# Altium PCB 1166V31.PcbDoc (part 4 of 7) (continued)
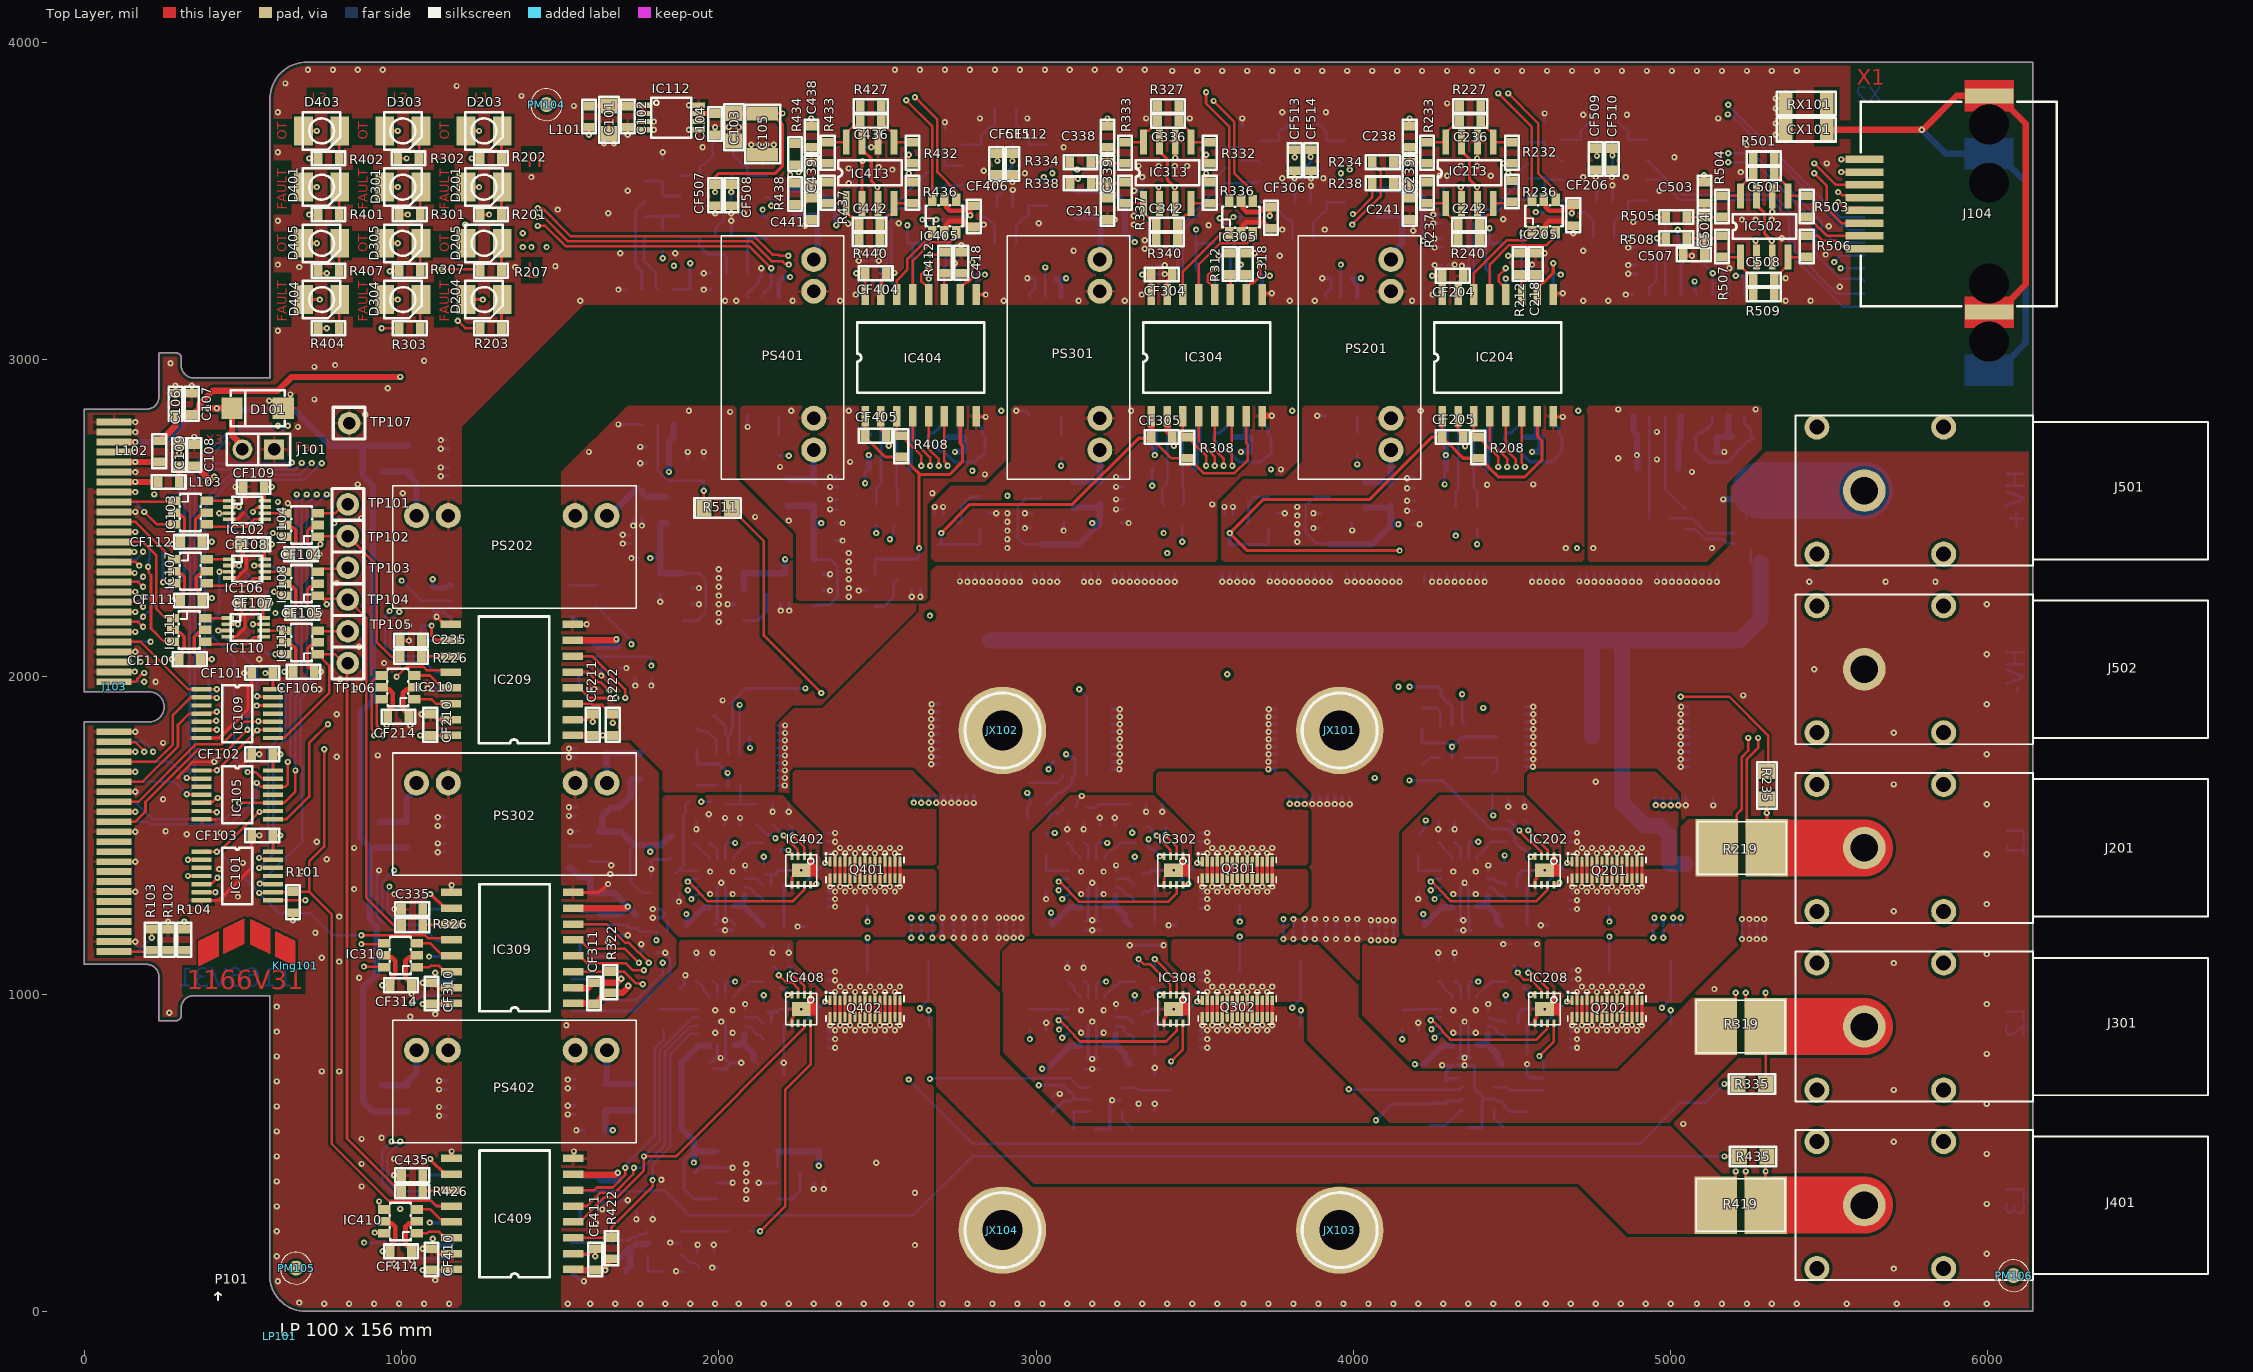
[diagram p0: Top Layer view]
## Nets (pads, with @x,y where several pads share a name; then routed paths per layer and width w, separated by ;. In a path a pad name is that pad's centre, name@x,y a point inside that pad or via, vN(x,y) a via of type N, cw(c..) or ccw(c..) an arc to the next point about the centre after c; other vN are vias at no path point) (continued)
  other v1: 3141.73,1314.96 3212.6,1314.96 3570.87,1322.83 3602.36,1322.83 3633.86,1322.83 3665.35,1322.83 3696.85,1322.83 3728.35,1322.83 3177.17,1350.39 3141.73,1385.83 3212.6,1385.83 2909.45,2405.51 2909.45,2433.07 2909.45,2460.63 2909.45,2488.19 2909.45,2515.75 3555.12,2543.31 3771.65,2653.54 3299.21,2838.58
M5: C428.2 C429.2 C431.2 C432.1 C433.2 C434.1 C440.1 C444.1 CF407.2 CF408.2 CF409.2 CF411.1 CF417.2 CF418.2 CF422.2 D406.1 IC407.3 IC407.6 IC407.7 IC408.0 IC408.1 IC408.5 IC409.2 IC409.8 IC411.0 IC411.9 IC411.14 IC411.15 IC412.3 IC412.4 IC416.3 IC417.2 PS402.6 Q402.2 Q402.5 Q402.6 Q402.9 Q402.10 Q402.13 Q402.14 Q402.17 Q402.18 Q402.21 Q402.22 Q402.25 Q402.26 Q402.29 Q402.30 R420.2 R421.2 R423.1 R428.2 R429.2 R430.2 R431.2 R439.2 R449.1 R452.1 R454.1 | length 3522.6
  Top Layer w10: IC409.2@1543.31,179.92 1590.79,179.92 1597.52,186.65 1597.52,188.07 1606.3,196.85 CF411.1@1610.24,196.85 v1(1610.24,173.23) ; IC409.8@1543.31,479.92 v1(1543.31,503.94) ; IC408.5@2230.32,907.48 2230.39,907.56 2230.39,923.31 2235.32,928.23 2235.32,936.1 2251.97,952.76 v1(2259.84,952.76) 2267.72,952.76 2284.37,969.41 2284.37,977.28 2289.29,982.2 2289.29,997.95 IC408.1@2289.37,998.03 ; v1(2350.39,901.57) Q402.2@2350.39,927.95 ; v1(2381.89,901.57) Q402.6@2381.89,927.95 Q402.5@2381.89,980.31 ; v1(2413.39,901.57) Q402.10@2413.39,927.95 Q402.9@2413.39,980.31 ; v1(2444.88,901.57) Q402.14@2444.88,927.95 Q402.13@2444.88,980.31 ; v1(2476.38,901.57) Q402.18@2476.38,927.95 Q402.17@2476.38,980.31 ; v1(2507.87,901.57) Q402.22@2507.87,927.95 Q402.21@2507.87,980.31 ; v1(2539.37,901.57) Q402.26@2539.37,927.95 Q402.25@2539.37,980.31 ; v1(2570.87,901.57) Q402.30@2570.87,927.95 Q402.29@2570.87,980.31
  Layer 3 w8: v1(2141.73,996.06) 2344.93,792.87 2544.83,792.87 2661.42,909.45 v1(2661.42,948.82)
  Layer 3 w10: v1(2204.72,783.34) 2275.91,783.34 2283.46,775.79 2559.25,775.79 2598.43,814.96
  Bottom Layer w8: R428.2@2141.73,972.44 v1(2141.73,996.06) ; R431.2@2661.42,901.57 v1(2661.42,948.82)
  Bottom Layer w10: v1(1523.62,620.47) CF407.2@1547.24,620.47 ; v1(1523.62,647.75) 1546.96,647.75 CF407.2@1547.24,648.03 ; v1(1523.62,703.15) CF409.2@1547.24,703.15 ; v1(1523.62,730.42) 1546.96,730.42 CF409.2@1547.24,730.71 ; IC416.3@1535.43,115.35 1545.28,115.35 1564.29,96.34 1572.95,96.34 v1(1574.8,94.49) ; v1(1551.18,570.87) C428.2@1574.8,570.87 ; IC412.4@1562.99,279.13 IC412.3@1562.99,329.13 ; IC412.4@1594.49,279.53 1595.57,278.44 1611.93,278.44 v1(1612.62,277.75) ; v1(1632.41,320.95) 1632.41,345.01 CF417.2@1633.86,346.46 ; CF418.2@1688.98,346.46 CF418.2@1689.12,346.31 ; CF418.2@1689.12,350.25 v1@1712.46,350.25 ; v1@1712.46,346.31 v1@1712.6,346.17 ; v1(1740.16,290.49) C440.1@1740.16,314.96 ; v1(1791.34,290.49) R439.2@1791.34,314.96 ; v1(1846.46,216.54) 1847.39,215.6 1876.66,215.6 IC417.2@1877.59,214.67 ; v1(1865.29,125.98) R454.1@1889.76,125.98 ; C434.1@1877.95,1019.68 1881.89,1019.68 1890.67,1028.46 1890.67,1052.51 1894.57,1056.42 v1(1894.57,1059.04) ; C429.2@1921.26,437.01 1925.2,437.01 1933.98,445.79 1933.98,448.08 1939.83,453.94 IC407.7@1992.13,453.94 1992.72,453.35 2042.72,453.35 v1(2043.31,452.76) ; R429.2@1929.13,1106.3 v1(1929.13,1129.92) ; C444.1@1933.07,185.04 v1(1933.07,209.51) ; C432.1@1968.5,779.53 C432.1@1979.09,790.12 ; v1(1979.46,137.8) R452.1@2003.94,137.8 ; R430.2@1980.32,1106.3 v1(1980.32,1129.92) ; C432.1@1981.45,764.91 2020.82,764.91 C433.2@2035.43,779.53 ; R449.1@1984.25,185.04 v1(1984.25,209.51) ; C432.1@1984.25,795.28 1995.08,795.28 ; IC407.6@1992.13,403.94 2041.73,403.94 v1(2043.31,405.51) ; IC411.15@1995.08,838.58 1995.08,795.28 ; 2003.94,763.78 C433.2@2027.56,763.78 ; v1@2005.3,795.28 2019.69,795.28 C433.2@2035.43,779.53 ; v1(2005.3,798.61) 2003.45,796.76 1996.56,796.76 1995.08,795.28 ; C433.2@2020.67,797 IC411.14@2020.67,838.58 IC411.0@2020.67,900.59 ; v1(2070.87,783.46) 2039.37,783.46 C433.2@2035.43,779.53 ; IC411.9@2082.68,951.77 v1(2082.68,968.5) ; v1(2125.98,405.51) 2127.56,403.94 IC407.3@2185.04,403.94 ; 2153.54,940.94 2162.95,940.94 2165.98,943.98 ; 2165.98,914.29 2165.98,943.98 ; v1(2169.29,1129.92) R420.2@2169.29,1153.54 ; R423.1@2204.72,744.09 R423.1@2204.72,748.03 v1(2204.72,783.34) ; v1(2220.47,1129.92) R421.2@2220.47,1153.54 ; v1(2259.84,952.76) C431.2@2192.91,952.76 2184.13,943.98 2165.98,943.98 ; v1(2299.21,385.17) CF408.2@2299.21,405.51 ; v1(2330.71,385.17) CF408.2@2330.71,405.51 ; D406.1@2342.52,830.71 v1(2366.14,830.71) ; D406.1@2342.52,858.27 v1(2366.14,858.27) ; D406.1@2342.52,885.83 v1(2366.14,885.83) ; D406.1@2350.39,877.95 v1(2350.39,901.57)
  other v1: 1523.62,23.62 1594.49,23.62 1673.23,23.62 1751.97,23.62 1830.71,23.62 1909.45,23.62 1988.19,23.62 2062.99,23.62 2141.73,23.62 2220.47,23.62 2299.21,23.62 2377.95,23.62 2456.69,23.62 2527.56,23.62 2606.3,23.62 2618.11,208.66 1712.6,350.11 2086.61,354.33 2618.11,374.02 2086.61,381.89 2086.61,409.45 1818.88,414.59 2086.61,437.01 2086.61,464.57 2496.06,468.5 1988.46,877.95 2043.31,877.95 2397.64,885.83 2429.13,885.83 2460.63,885.83 2492.13,885.83 2523.62,885.83 2555.12,885.83 1519.69,901.57 2007.87,913.39 1988.66,948.57 2043.31,948.82
M6: C408.2 C409.2 C411.2 C415.1 C416.2 C417.1 C443.1 CF401.2 CF402.2 CF403.2 CF405.1 CF420.2 D402.1 IC401.3 IC401.6 IC401.7 IC402.0 IC402.1 IC402.5 IC404.2 IC404.8 IC406.0 IC406.9 IC406.14 IC406.15 IC414.3 IC415.2 PS401.6 Q401.2 Q401.5 Q401.6 Q401.9 Q401.10 Q401.13 Q401.14 Q401.17 Q401.18 Q401.21 Q401.22 Q401.25 Q401.26 Q401.29 Q401.30 R405.2 R406.2 R409.1 R413.2 R414.2 R415.2 R416.2 R443.1 R446.1 R448.1 | length 2652.3
  Top Layer w8: IC402.5@2230.32,1344.49 2230.5,1344.68 2230.5,1368.3 2251.97,1389.76 v1(2259.84,1389.76) 2267.72,1389.76 2289.18,1411.23 2289.18,1434.85 IC402.1@2289.37,1435.04
  Top Layer w10: v1(2350.39,1338.58) Q401.2@2350.39,1364.96 ; v1(2381.89,1338.58) Q401.6@2381.89,1364.96 Q401.5@2381.89,1417.32 ; v1(2413.39,1338.58) Q401.10@2413.39,1364.96 Q401.9@2413.39,1417.32 ; v1(2444.88,1338.58) Q401.14@2444.88,1364.96 Q401.13@2444.88,1417.32 ; v1(2476.38,1338.58) Q401.18@2476.38,1364.96 Q401.17@2476.38,1417.32 ; v1(2507.87,1338.58) Q401.22@2507.87,1364.96 Q401.21@2507.87,1417.32 ; IC404.2@2511.02,2820.87 2511.02,2778.42 2516.88,2772.56 2518.78,2772.56 2527.56,2763.78 CF405.1@2527.56,2759.84 2533.58,2753.82 2533.58,2730.2 v1(2535.43,2728.35) ; v1(2539.37,1338.58) Q401.26@2539.37,1364.96 Q401.25@2539.37,1417.32 ; v1(2570.87,1338.58) Q401.30@2570.87,1364.96 Q401.29@2570.87,1417.32 ; IC404.8@2811.02,2820.87 2812.99,2818.9 v1(2840.68,2818.9)
  Layer 3 w8: v1(2141.73,1433.07) 2141.73,1408.45 2321.84,1228.35 v1(2468.5,1228.35)
  Bottom Layer w8: IC406.9@2082.68,1388.78 v1(2082.68,1405.51) ; R413.2@2141.73,1409.45 v1(2141.73,1433.07) ; v1(2468.5,1228.35) R416.2@2468.5,1275.59
  Bottom Layer w10: v1(1874.02,1291.34) C417.1@1874.02,1314.96 ; v1(1929.13,1519.68) R414.2@1929.13,1543.31 ; R448.1@1931,1771.65 R446.1@1931,1724.41 2000,1724.41 v1(2027.56,1696.85) 2028.49,1695.92 2028.49,1658.42 IC415.2@2029.43,1657.48 ; R415.2@1968.5,1543.31 v1(1968.5,1566.93) ; C415.1@1984.25,1216.54 C415.1@2000,1232.28 ; C415.1@1995.08,1232.28 IC406.15@1995.08,1275.59 IC406.0@1995.08,1337.6 ; C415.1@1996.06,1200.79 v1(2019.69,1200.79) C416.2@2043.31,1200.79 ; C415.1@2002.87,1235.16 C415.1@2000,1232.28 ; C443.1@2019.69,1531.5 v1(2019.69,1555.12) ; v1@2020.67,1234.01 IC406.14@2020.67,1275.59 IC406.0@2020.67,1337.6 ; C416.2@2039.37,1232.28 C416.2@2036.42,1232.28 ; C416.2@2051.18,1216.54 2036.42,1231.3 C416.2@2036.42,1232.28 ; R443.1@2066.93,1531.5 v1(2066.93,1555.12) ; IC414.3@2088.98,2822.83 2090.55,2821.26 v1(2090.55,2787.4) ; CF420.2@2096.36,1811.02 2097.31,1810.07 2097.31,1776.55 v1(2098.27,1775.59) ; 2149.61,1377.95 2150.51,1377.05 2180.2,1377.05 2180.2,1380.98 2188.98,1389.76 C411.2@2192.91,1389.76 v1(2259.84,1389.76) ; 2165.35,1347.36 2165.35,1377.05 ; v1(2169.29,1574.8) R405.2@2169.29,1598.42 ; v1(2220.47,1574.8) R406.2@2220.47,1598.42 ; v1(2248.03,1212.6) R409.1@2271.65,1212.6 ; IC401.6@2326.77,2271.65 v1(2350.39,2271.65) ; IC401.7@2326.77,2322.83 v1(2350.39,2322.83) ; D402.1@2342.52,1275.59 v1(2366.14,1275.59) ; D402.1@2342.52,1299.21 v1(2366.14,1299.21) ; D402.1@2342.52,1322.83 v1(2366.14,1322.83) ; D402.1@2350.39,1314.96 v1(2350.39,1338.58) ; v1(2350.39,2527.56) CF401.2@2374.02,2527.56 ; v1(2350.39,2559.06) CF401.2@2374.02,2559.06 ; v1(2350.39,2598.43) CF403.2@2374.02,2598.43 ; v1(2350.39,2629.92) CF403.2@2374.02,2629.92 ; C409.2@2366.14,2429.13 v1(2389.76,2429.13) ; C408.2@2366.14,2484.25 v1(2389.76,2484.25) ; v1(2440.94,2271.65) IC401.3@2464.57,2271.65 ; CF402.2@2607.87,2275.59 2608.16,2275.31 v1(2608.16,2251.97) ; v1(2635.43,2251.97) CF402.2@2635.43,2275.59 ; C415.1@2000,1232.28 v1(2019.69,1232.28) C416.2@2036.42,1232.28
  other v1: 1972.44,1314.96 2043.31,1314.96 2397.64,1322.83 2429.13,1322.83 2460.63,1322.83 2492.13,1322.83 2523.62,1322.83 2555.12,1322.83 2007.87,1350.39 1972.44,1385.83 2043.31,1385.83 2409.45,2251.97 2409.45,2279.53 2409.45,2307.09 2409.45,2334.65 2409.45,2362.2 2409.45,2389.76 2220.47,2492.13 2673.23,2578.74 2838.58,2637.8 2192.91,2661.42 2413.39,2677.17 2228.35,2838.58 2409.45,2838.58
M7: C510.2 C511.2 C512.2 C513.2 C514.2 IC501.2 IC501.8 J501.1 R516.1 R517.1 | length 1051.3
  Bottom Layer w8: R516.1@4996.06,2500 5066.93,2500 5114.17,2452.76 R517.1@5200.79,2452.76 ; R517.1@5236.22,2500 5251.97,2515.75 R517.1@5251.97,2559.06
  Bottom Layer w20: IC501.8@4882.28,2820.87 4881.89,2820.47 4881.89,2775.59 4893.7,2763.78 C513.2@4893.7,2740.16 v1(4893.7,2698.82) ; C514.2@4894.28,2656.84 v1@4894.28,2698.18 ; C512.2@5141.73,2708.66 v1(5169.29,2708.66) ; C512.2@5145.67,2708.66 C510.2@5145.67,2755.91 C511.2@5192.91,2755.91 ; v1(5165.35,2559.06) R517.1@5248.03,2559.06 ; C511.2@5181.1,2759.84 5181.1,2819.69 IC501.2@5182.28,2820.87
  Bottom Layer w180: 5283.46,2586.61 J501.1@5610.24,2586.61
  other v1: 4755.91,2405.51 5129.92,2405.51 5066.93,2645.67 4956.69,2685.04 4834.65,2688.98 4956.69,2771.65 4834.65,2842.52 5267.72,2842.52
MP: C201.2 C202.2 C203.2 C204.2 C205.2 C237.1 C301.2 C302.2 C303.2 C304.2 C305.2 C337.1 C401.2 C402.2 C403.2 C404.2 C405.2 C437.1 C521.2 C522.2 C523.2 C524.2 C525.2 C526.2 C527.2 C543.2 C544.2 C545.2 C546.2 C547.2 C548.2 C549.2 C550.2 C551.2 C552.2 C553.2 C554.2 IC211.7 IC311.7 IC411.7 J502.1 JX101.1 JX102.1 JX103.1 JX104.1 R231.1 R331.1 R431.1 | length 8164.6
  Layer 3 w8: v1(2051.18,1039.37) 2129.92,1039.37 2175.35,993.94 2175.35,990.61 2357.09,808.87 2537.21,808.87 2633.86,905.51 v1(2633.86,954.85) ; v1(3220.47,1039.37) 3298.61,1039.37 3334.34,1003.63 3334.34,995.37 3520.85,808.87 3707.5,808.87 3807.09,908.45 v1(3807.09,956.69) ; v1(4393.7,1039.37) 4467.9,1039.37 4505.6,1001.67 4505.6,993.4 4690.14,808.87 4872.85,808.87 4972.44,908.45 v1(4972.44,956.69)
  Bottom Layer w8: IC411.7@2020.67,988.19 2020.67,1032.48 C437.1@2027.56,1039.37 v1(2051.18,1039.37) ; v1(2633.86,954.85) 2661.42,982.41 R431.1@2661.42,1106.3 ; IC311.7@3189.96,988.19 3189.96,1032.48 C337.1@3196.85,1039.37 v1(3220.47,1039.37) ; v1(3807.09,956.69) 3834.65,984.25 R331.1@3834.65,1106.3 ; IC211.7@4363.19,988.19 4363.19,1036.42 C237.1@4366.14,1039.37 v1(4393.7,1039.37) ; v1(4972.44,956.69) 5000,984.25 R231.1@5000,1106.3
  Bottom Layer w10: C552.2@2185.04,1657.48 v1(2207.44,1657.48) ; C552.2@2185.04,1681.1 v1(2208.44,1681.1) ; C552.2@2185.04,1704.72 v1(2208.44,1704.72) ; C552.2@2185.04,1728.35 v1(2208.44,1728.35) ; C552.2@2185.04,1751.97 v1(2208.44,1751.97) ; C552.2@2185.04,1775.59 v1(2208.44,1775.59) ; C552.2@2185.04,1799.21 v1(2208.44,1799.21) ; C552.2@2185.04,1822.83 v1(2208.66,1822.83) ; C552.2@2185.04,1846.46 v1(2208.66,1846.46) ; v1(2606.3,1177.17) C401.2@2606.3,1200.79 ; C401.2@2606.3,1216.54 v1(2606.3,1240.16) ; v1(2614.17,1603.58) C522.2@2614.17,1625.98 ; v1(2637.8,1177.17) C401.2@2637.8,1200.79 ; C401.2@2637.8,1216.54 v1(2637.8,1240.16) ; v1(2637.8,1602.58) C522.2@2637.8,1625.98 ; v1(2661.42,1602.58) C522.2@2661.42,1625.98 ; v1(2669.29,1724.41) C521.2@2692.91,1724.41 ; v1(2669.29,1748.03) C521.2@2692.91,1748.03 ; v1(2669.51,1771.65) C521.2@2692.91,1771.65 ; v1(2669.51,1795.28) C521.2@2692.91,1795.28 ; v1(2669.51,1818.9) C521.2@2692.91,1818.9 ; v1(2669.51,1842.52) C521.2@2692.91,1842.52 ; v1(2669.51,1866.14) C521.2@2692.91,1866.14 ; v1(2669.51,1889.76) C521.2@2692.91,1889.76 ; v1(2670.51,1913.39) C521.2@2692.91,1913.39 ; v1(2673.23,1177.17) C402.2@2673.23,1200.79 ; C402.2@2673.23,1216.54 v1(2673.23,1240.16) ; v1(2685.04,1602.58) C522.2@2685.04,1625.98 ; v1(2704.72,1177.17) C402.2@2704.72,1200.79 ; C402.2@2704.72,1216.54 v1(2704.72,1240.16) ; v1(2708.66,1602.58) C522.2@2708.66,1625.98 ; v1(2732.28,1602.58) C522.2@2732.28,1625.98 ; v1(2740.16,1177.17) C403.2@2740.16,1200.79 ; C403.2@2740.16,1216.54 v1(2740.16,1240.16) ; v1(2755.91,1602.58) C522.2@2755.91,1625.98 ; v1(2759.84,2300.43) C553.2@2759.84,2322.83 ; v1(2771.65,1177.17) C403.2@2771.65,1200.79 ; C403.2@2771.65,1216.54 v1(2771.65,1240.16) ; v1(2779.53,1602.36) C522.2@2779.53,1625.98 ; v1(2783.46,2299.43) C553.2@2783.46,2322.83 ; v1(2803.15,1602.36) C522.2@2803.15,1625.98 ; v1(2807.09,1177.17) C404.2@2807.09,1200.79 ; C404.2@2807.09,1216.54 v1(2807.09,1240.16) ; v1(2807.09,2299.43) C553.2@2807.09,2322.83 ; v1(2830.71,2299.43) C553.2@2830.71,2322.83 ; v1(2838.58,1177.17) C404.2@2838.58,1200.79 ; C404.2@2838.58,1216.54 v1(2838.58,1240.16) ; v1(2854.33,2299.43) C553.2@2854.33,2322.83 ; v1(2877.95,2299.43) C553.2@2877.95,2322.83 ; v1(2881.89,1177.17) C405.2@2881.89,1200.79 ; C405.2@2881.89,1216.54 v1(2881.89,1240.16) ; v1(2901.57,2299.43) C553.2@2901.57,2322.83 ; v1(2905.51,1177.17) C405.2@2905.51,1200.79 ; C405.2@2905.51,1216.54 v1(2905.51,1240.16) ; v1(2925.2,2299.21) C553.2@2925.2,2322.83 ; v1(2929.13,1177.17) C405.2@2929.13,1200.79 ; C405.2@2929.13,1216.54 v1(2929.13,1240.16) ; v1(2948.82,2299.21) C553.2@2948.82,2322.83 ; v1(2952.76,1177.17) C405.2@2952.76,1200.79 ; C405.2@2952.76,1216.54 v1(2952.76,1240.16) ; v1(2996.06,2300.43) C543.2@2996.06,2322.83 ; v1(3019.69,2299.43) C543.2@3019.69,2322.83 ; v1(3043.31,2299.43) C543.2@3043.31,2322.83 ; v1(3066.93,2299.43) C543.2@3066.93,2322.83 ; C543.2@3149.61,2322.83 3150.61,2321.83 v1(3150.61,2299.43) ; v1(3173.23,2299.21) C543.2@3173.23,2322.83 ; v1(3196.85,2299.21) C543.2@3196.85,2322.83 ; C523.2@3240.16,1708.66 v1(3262.56,1708.66) ; C523.2@3240.16,1732.28 v1(3263.56,1732.28) ; C523.2@3240.16,1755.91 v1(3263.56,1755.91) ; C523.2@3240.16,1779.53 v1(3263.56,1779.53) ; C523.2@3240.16,1803.15 v1(3263.56,1803.15) ; C523.2@3240.16,1826.77 v1(3263.56,1826.77) ; C523.2@3240.16,1850.39 v1(3263.56,1850.39) ; C523.2@3240.16,1874.02 v1(3263.78,1874.02) ; C523.2@3240.16,1897.64 v1(3263.78,1897.64) ; v1(3248.03,2300.43) C544.2@3248.03,2322.83 ; v1(3271.65,2299.43) C544.2@3271.65,2322.83 ; v1(3295.28,2299.43) C544.2@3295.28,2322.83 ; v1(3318.9,2299.43) C544.2@3318.9,2322.83 ; v1(3342.52,2299.43) C544.2@3342.52,2322.83 ; v1(3366.14,2299.43) C544.2@3366.14,2322.83 ; v1(3389.76,2299.43) C544.2@3389.76,2322.83 ; v1(3413.39,2299.21) C544.2@3413.39,2322.83 ; v1(3437.01,2299.21) C544.2@3437.01,2322.83 ; v1(3586.61,2299.43) C545.2@3586.61,2322.83 ; v1(3610.24,2299.43) C545.2@3610.24,2322.83 ; v1(3633.86,2299.43) C545.2@3633.86,2322.83 ; v1(3657.48,2299.21) C545.2@3657.48,2322.83 ; v1(3681.1,2299.21) C545.2@3681.1,2322.83 ; v1(3732.28,1708.66) C524.2@3755.91,1708.66 ; v1(3732.28,1732.28) C524.2@3755.91,1732.28 ; v1(3732.5,1755.91) C524.2@3755.91,1755.91 ; v1(3732.5,1779.53) C524.2@3755.91,1779.53 ; v1(3732.5,1803.15) C524.2@3755.91,1803.15 ; v1(3732.5,1826.77) C524.2@3755.91,1826.77 ; v1(3732.5,1850.39) C524.2@3755.91,1850.39 ; v1(3732.5,1874.02) C524.2@3755.91,1874.02 ; v1(3733.5,1897.64) C524.2@3755.91,1897.64 ; v1(3736.22,2300.43) C546.2@3736.22,2322.83 ; v1(3759.84,2299.43) C546.2@3759.84,2322.83 ; v1(3779.53,1173.23) C301.2@3779.53,1196.85 ; C301.2@3779.53,1212.6 v1(3779.53,1236.22) ; v1(3783.46,2299.43) C546.2@3783.46,2322.83 ; v1(3799.21,1599.65) C525.2@3799.21,1622.05 ; v1(3807.09,2299.43) C546.2@3807.09,2322.83 ; v1(3811.02,1173.23) C301.2@3811.02,1196.85 ; C301.2@3811.02,1212.6 v1(3811.02,1236.22) ; v1(3822.83,1598.65) C525.2@3822.83,1622.05 ; v1(3830.71,2299.43) C546.2@3830.71,2322.83 ; v1(3846.46,1173.23) C302.2@3846.46,1196.85 ; C302.2@3846.46,1212.6 v1(3846.46,1236.22) ; v1(3846.46,1598.65) C525.2@3846.46,1622.05 ; v1(3854.33,2299.43) C546.2@3854.33,2322.83 ; v1(3870.08,1598.65) C525.2@3870.08,1622.05 ; v1(3877.95,1173.23) C302.2@3877.95,1196.85 ; C302.2@3877.95,1212.6 v1(3877.95,1236.22) ; v1(3877.95,2299.43) C546.2@3877.95,2322.83 ; v1(3893.7,1598.65) C525.2@3893.7,1622.05 ; v1(3901.57,2299.21) C546.2@3901.57,2322.83 ; v1(3913.39,1173.23) C303.2@3913.39,1196.85 ; C303.2@3913.39,1212.6 v1(3913.39,1236.22) ; v1(3917.32,1598.65) C525.2@3917.32,1622.05 ; v1(3925.2,2299.21) C546.2@3925.2,2322.83 ; v1(3940.94,1598.65) C525.2@3940.94,1622.05 ; v1(3944.88,1173.23) C303.2@3944.88,1196.85 ; C303.2@3944.88,1212.6 v1(3944.88,1236.22) ; v1(3964.57,1598.43) C525.2@3964.57,1622.05 ; v1(3980.31,1173.23) C304.2@3980.31,1196.85 ; C304.2@3980.32,1212.6 v1(3980.32,1236.22) ; v1(3980.31,2300.43) C547.2@3980.31,2322.83 ; v1(3988.19,1598.43) C525.2@3988.19,1622.05 ; v1(4003.94,2299.43) C547.2@4003.94,2322.83 ; v1(4011.81,1173.23) C304.2@4011.81,1196.85 ; C304.2@4011.81,1212.6 v1(4011.81,1236.22) ; v1(4027.56,2299.43) C547.2@4027.56,2322.83 ; v1(4051.18,2299.43) C547.2@4051.18,2322.83 ; v1(4055.12,1169.29) C305.2@4055.12,1192.91 ; C305.2@4055.12,1208.66 v1(4055.12,1232.28) ; v1(4074.8,2299.43) C547.2@4074.8,2322.83 ; v1(4078.74,1169.29) C305.2@4078.74,1192.91 ; C305.2@4078.74,1208.66 v1(4078.74,1232.28) ; v1(4098.43,2299.43) C547.2@4098.43,2322.83 ; v1(4102.36,1169.29) C305.2@4102.36,1192.91 ; C305.2@4102.36,1208.66 v1(4102.36,1232.28) ; v1(4122.05,2299.43) C547.2@4122.05,2322.83 ; v1(4125.98,1169.29) C305.2@4125.98,1192.91 ; C305.2@4125.98,1208.66 v1(4125.98,1232.28) ; v1(4145.67,2299.21) C547.2@4145.67,2322.83 ; 4224.41,2300.43 C548.2@4224.41,2322.83 ; v1(4248.03,2299.43) C548.2@4248.03,2322.83 ; v1(4271.65,2299.43) C548.2@4271.65,2322.83 ; v1(4295.28,2299.43) C548.2@4295.28,2322.83 ; v1(4318.9,2299.43) C548.2@4318.9,2322.83 ; v1(4342.52,2299.43) C548.2@4342.52,2322.83 ; v1(4366.14,2299.43) C548.2@4366.14,2322.83 ; v1(4389.76,2299.21) C548.2@4389.76,2322.83 ; v1(4413.39,2299.21) C548.2@4413.39,2322.83 ; C526.2@4543.31,1716.54 v1(4565.71,1716.54) ; C526.2@4543.31,1740.16 v1(4566.71,1740.16) ; C526.2@4543.31,1763.78 v1(4566.71,1763.78) ; C526.2@4543.31,1787.4 v1(4566.71,1787.4) ; C526.2@4543.31,1811.02 v1(4566.71,1811.02) ; C526.2@4543.31,1834.65 v1(4566.71,1834.65) ; C526.2@4543.31,1858.27 v1(4566.71,1858.27) ; C526.2@4543.31,1881.89 v1(4566.93,1881.89) ; C526.2@4543.31,1905.51 v1(4566.93,1905.51) ; v1(4562.99,2299.43) C549.2@4562.99,2322.83 ; v1(4586.61,2299.43) C549.2@4586.61,2322.83 ; v1(4610.24,2299.43) C549.2@4610.24,2322.83 ; v1(4633.86,2299.21) C549.2@4633.86,2322.83 ; v1(4657.48,2299.21) C549.2@4657.48,2322.83 ; v1(4712.6,2300.43) C550.2@4712.6,2322.83 ; v1(4736.22,2299.43) C550.2@4736.22,2322.83 ; v1(4759.84,2299.43) C550.2@4759.84,2322.83 ; v1(4783.46,2299.43) C550.2@4783.46,2322.83 ; v1(4807.09,2299.43) C550.2@4807.09,2322.83 ; v1(4830.71,2299.43) C550.2@4830.71,2322.83 ; v1(4854.33,2299.43) C550.2@4854.33,2322.83 ; v1(4877.95,2299.21) C550.2@4877.95,2322.83 ; v1(4901.57,2299.21) C550.2@4901.57,2322.83 ; v1(4944.88,1177.17) C201.2@4944.88,1200.79 ; C201.2@4948.82,1216.54 v1(4948.82,1240.16) ; v1(4952.76,1595.71) C527.2@4952.76,1618.11 ; v1(4956.69,2300.43) C551.2@4956.69,2322.83 ; v1(4976.38,1177.17) C201.2@4976.38,1200.79 ; C201.2@4976.38,1216.54 v1(4976.38,1240.16) ; v1(4976.38,1594.71) C527.2@4976.38,1618.11 ; v1(4980.31,2299.43) C551.2@4980.31,2322.83 ; v1(5000,1594.71) C527.2@5000,1618.11 ; v1(5003.94,2299.43) C551.2@5003.94,2322.83 ; C202.2@5007.87,1216.54 v1(5007.87,1240.16) ; v1(5023.62,1594.71) C527.2@5023.62,1618.11 ; v1(5027.56,2299.43) C551.2@5027.56,2322.83 ; C202.2@5031.5,1216.54 v1(5031.5,1240.16) ; v1(5031.5,1716.54) C554.2@5055.12,1716.54 ; v1(5031.5,1740.16) C554.2@5055.12,1740.16 ; v1(5031.72,1763.78) C554.2@5055.12,1763.78 ; v1(5031.72,1787.4) C554.2@5055.12,1787.4 ; v1(5031.72,1811.02) C554.2@5055.12,1811.02 ; v1(5031.72,1834.65) C554.2@5055.12,1834.65 ; v1(5031.72,1858.27) C554.2@5055.12,1858.27 ; v1(5031.72,1881.89) C554.2@5055.12,1881.89 ; v1(5032.72,1905.51) C554.2@5055.12,1905.51 ; v1(5047.24,1594.71) C527.2@5047.24,1618.11 ; v1(5051.18,2299.43) C551.2@5051.18,2322.83 ; v1(5074.8,2299.43) C551.2@5074.8,2322.83 ; v1(5098.43,2299.43) C551.2@5098.43,2322.83 ; v1(5122.05,2299.21) C551.2@5122.05,2322.83 ; v1(5133.86,1594.49) C527.2@5133.86,1618.11 ; v1(5145.67,2299.21) C551.2@5145.67,2322.83 ; v1(5224.41,1173.23) C205.2@5224.41,1196.85 ; C205.2@5224.41,1212.6 v1(5224.41,1236.22) ; v1(5248.03,1173.23) C205.2@5248.03,1196.85 ; C205.2@5248.03,1212.6 v1(5248.03,1236.22) ; v1(5271.65,1173.23) C205.2@5271.65,1196.85 ; C205.2@5271.65,1212.6 v1(5271.65,1236.22) ; v1(5295.28,1173.23) C205.2@5295.28,1196.85 ; C205.2@5295.28,1212.6 v1(5295.28,1236.22)
  other v1: 2704.72,23.62 2783.46,23.62 2862.2,23.62 2940.94,23.62 3019.68,23.62 3098.42,23.62 3177.17,23.62 3255.91,23.62 3334.65,23.62 3413.39,23.62 3492.13,23.62 3570.87,23.62 3653.54,23.62 3732.28,23.62 3811.02,23.62 3889.76,23.62 3968.5,23.62 4047.24,23.62 4125.98,23.62 4204.72,23.62 4283.46,23.62 4362.2,23.62 4440.94,23.62 4519.68,23.62 4606.3,23.62 4685.04,23.62 4763.78,23.62 4842.52,23.62 4921.26,23.62 5000,23.62 5082.68,23.62 5161.42,23.62 5240.16,23.62 5318.9,23.62 5397.64,23.62 5555.12,23.62 5712.6,23.62 5870.08,23.62 5996.06,23.62 5703.15,134.65 5996.06,181.1 5996.06,338.58 5996.06,496.06 5703.15,534.65 5039.37,590.55 5996.06,653.54 5703.15,697.64 5996.06,811.02 5996.06,968.5 5137.8,1015.75 5703.15,1097.64 5996.06,1125.98 5703.15,1260.63 5996.06,1283.46 5996.06,1440.94 5996.06,1598.42 5703.15,1660.63 5996.06,1755.9 5703.15,1823.62 5996.06,1913.38 5228.35,1940.94 5452.76,2023.62 5996.06,2070.86 5996.06,2228.34 5437.01,2299.21 5677.17,2299.21 5834.65,2299.21
NetC101_2: C101.2 C102.2 IC112.1 IC112.2 L101.2 | length 199.6
  Top Layer w15: L101.2@1590.55,3799.21 1591.75,3800.41 1712.6,3800.41 1763.01,3800.41 IC112.1@1763.78,3801.18 IC112.2@1763.78,3775.59
NetC207_2: C207.2 L201.2 PS201.1 | length 231.2
  Bottom Layer w20: L201.2@4074.8,3452.76 C207.2@4153.54,3452.76 4153.54,3366.29 4118.11,3330.86 PS201.1@4118.11,3314.96
NetC210_2: C210.2 IC201.4 | length 138.2
  Bottom Layer w8: C210.2@3665.35,2484.25 3669.29,2488.19 3669.29,2551.18 3685.43,2567.32 IC201.4@3732.28,2567.32
NetC212_2: C212.2 IC203.13 IC203.16 | length 315.8
  Layer 2 w10: v1(4479.92,3255.05) 4640.87,3255.05 v1(4653.54,3267.72)
  Bottom Layer w10: IC203.13@4479.92,3204.72 v1(4479.92,3255.05) ; IC203.16@4629.92,3204.72 C212.2@4629.92,3267.72 v1(4653.54,3267.72)
NetC216_1: C216.1 IC206.12 IC206.13 | length 145.5
  Bottom Layer w20: IC206.13@4390.59,1277.4 4407.32,1277.4 4415.35,1285.43 ; IC206.12@4423.39,1310.2 4423.39,1293.46 4415.35,1285.43 ; C216.1@4464.57,1216.54 4452.85,1228.25 4452.85,1248.03 4452.76,1248.03 4415.35,1285.43
NetC217_2: C217.2 IC206.4 R211.1 | length 118.5
  Bottom Layer w8: R211.1@4204.72,1437.01 C217.2@4204.72,1389.76 4205.71,1388.78 IC206.4@4275.59,1388.78
NetC218_2: C218.2 IC204.11 R212.1 | length 116.8
  Top Layer w8: IC204.11@4529.92,3204.72 4529.92,3261.42 R212.1@4523.62,3267.72 C218.2@4574.8,3267.72
NetC219_1: C219.1 C220.1 C221.1 IC203.1 IC203.3 | length 449.2
  Bottom Layer w10: IC203.3@4529.92,2820.87 4529.92,2800.2 4509.25,2779.53 4507.87,2779.53 4496.97,2768.62 4485.16,2768.62 4476.38,2759.84 4476.38,2748.03 4513.84,2710.57 4523.03,2710.57 4555.65,2677.94 4626.76,2677.94 4657.48,2708.66 4657.48,2755.91 4648.7,2764.69 4648.7,2781.42 4629.92,2800.2 IC203.1@4629.92,2820.87
NetC222_1: C222.1 C223.1 IC203.5 | length 167
  Bottom Layer w20: C222.1@4421.26,2657.48 4421.26,2740.16 4428.11,2747.01 4428.11,2819.06 IC203.5@4429.92,2820.87
NetC224_1: C224.1 IC203.7 R218.2 | length 289
  Bottom Layer w8: R218.2@4322.83,2535.43 C224.1@4322.83,2582.68 4330.71,2590.55 4330.71,2708.66 4329.92,2709.45 IC203.7@4329.92,2820.87
NetC224_2: C224.2 IC203.6 R217.2 | length 289.5
  Bottom Layer w8: IC203.6@4379.92,2820.87 4379.92,2596.46 4389.76,2586.61 C224.2@4389.76,2582.68 R217.2@4389.76,2535.43
NetC225_2: C225.2 IC206.8 R213.1 | length 120.7
  Bottom Layer w8: IC206.8@4388.78,1425.2 4388.78,1431.1 4423.29,1465.61 4423.29,1470.54 C225.2@4433.07,1480.31 R213.1@4480.32,1480.31
NetC227_2: C227.2 L203.2 PS202.1 | length 229.6
  Bottom Layer w20: L203.2@942.52,2645.67 C227.2@1025.2,2645.67 1025.2,2633.86 1047.24,2611.81 PS202.1@1047.24,2507.87
NetC230_2: C230.2 IC207.4 | length 137.6
  Bottom Layer w10: IC207.4@2078.74,2176.77 2079.13,2177.17 2122.05,2177.17 2149.61,2204.72 C230.2@2149.61,2259.84